# KiCad board Marble.kicad_pcb (continued)
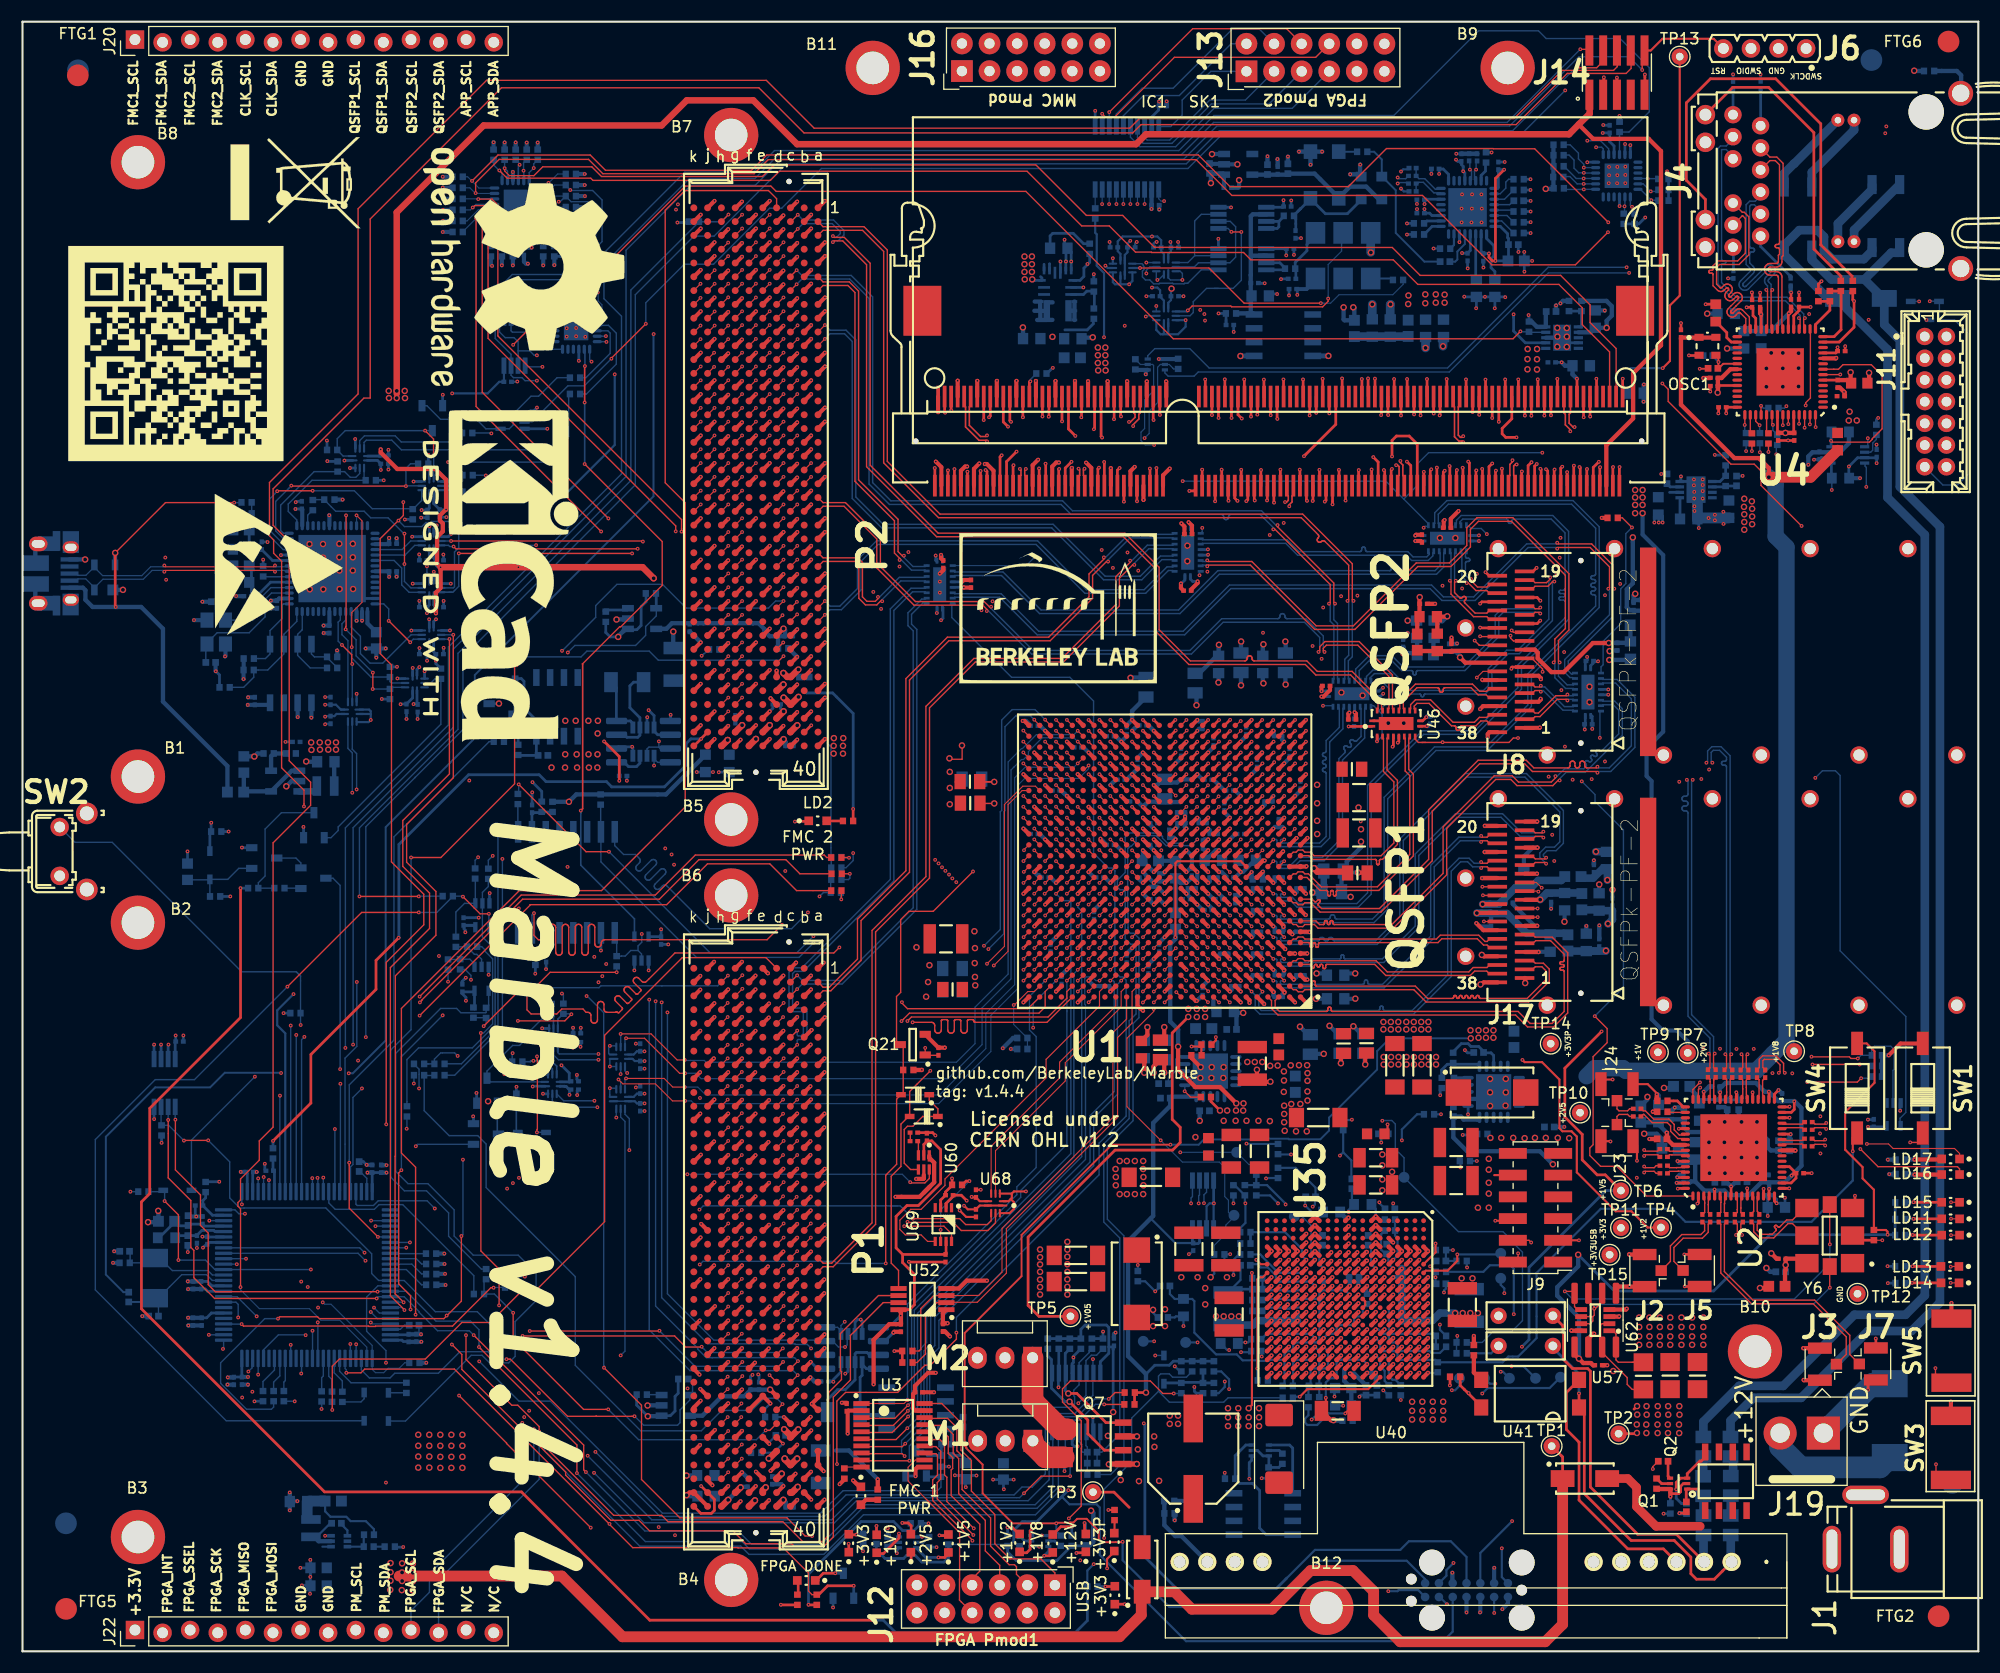
[diagram p0: board, top side]
## Library data of the parts (continued)
C366 C367 C372 C373 = -: Case: 0402; Comment: 100pF; Component Kind: Standard; Component Type: Standard; CreateDate: 12/03/07 00:00:00; Footprint Path: PcbLib\Capacitors SMD.PcbLib; Footprint Ref: CAPC1005X55N; LatestRevisionDate: 04/22/15 00:00:00; Library Name: Capacitors.DbLib; Library Path: SchLib\Capacitors.SchLib; Library Ref: Capacitor - non polarized; License: This work is licensed under the Creative Commons CC-BY-SA 4.0 License. To the extent that circuit schematics that use Licensed Material can be considered to be ‘Adapted Material’, then the copyright holder waives article 3.b of the license with respect to these schematics.; Manufacturer: GENERIC; Manufacturer1 ComponentHeight: 0.55mm; Manufacturer1 Example: KEMET; Manufacturer1 Part Number: C0402C101J5GACTU; Mounted: Yes; Part Description: SMD Multilayer Chip Ceramic Capacitor; Pin Count: 2; SMD: Yes; Sense: No; Socket: No; Status: Preferred; TC: C0G/NP0; Tolerance: ±5%; Val: 100pF; Voltage: 50V
C393 C394 = -: Case: 0402; Comment: 1nF; Component Kind: Standard; Component Type: Standard; CreateDate: 12/03/07 00:00:00; Footprint Path: PcbLib\Capacitors SMD.PcbLib; Footprint Ref: CAPC1005X55N; LatestRevisionDate: 12/03/07 00:00:00; Library Name: Capacitors.DbLib; Library Path: SchLib\Capacitors.SchLib; Library Ref: Capacitor - non polarized; License: This work is licensed under the Creative Commons CC-BY-SA 4.0 License. To the extent that circuit schematics that use Licensed Material can be considered to be ‘Adapted Material’, then the copyright holder waives article 3.b of the license with respect to these schematics.; Manufacturer: GENERIC; Manufacturer1 ComponentHeight: 0.55mm; Manufacturer1 Example: PHYCOMP; Manufacturer1 Part Number: 223858715623; Mounted: Yes; Part Description: SMD Multilayer Chip Ceramic Capacitor; Pin Count: 2; SMD: Yes; Sense: No; Socket: No; Status: Not Recommended; TC: X7R; Tolerance: ±10%; Val: 1nF; Voltage: 50V
D1-D3 D9 D14-D18 = -: Case: SOD323; Comment: =Device; Component Kind: Standard; Component Type: Standard; ComponentHeight: 1.1mm; CreateDate: 11/12/14 00:00:00; Footprint Path: PcbLib\ICs And Semiconductors SMD.PcbLib; Footprint Ref: SOD2512X110N; LatestRevisionDate: 11/12/14 00:00:00; Library Name: ICs And Semiconductors SMD; Library Path: SchLib\Diodes.SchLib; Library Ref: Diode Schottky; License: This work is licensed under the Creative Commons CC-BY-SA 4.0 License. To the extent that circuit schematics that use Licensed Material can be considered to be ‘Adapted Material’, then the copyright holder waives article 3.b of the license with respect to these schematics.; Manufacturer: NEXPERIA; Manufacturer Part Number: BAT165AX; Mounted: Yes; PackageDescription: Small Outline Diode Flat Lead (SOD-323), 1.70mm W X 1.25mm L X 1.10mm H body,  IPC Medium Density; Part Description: Medium Power AF Schottky Diode; Pin Count: 2; Power: 750mA; PressFit: No; SMD: Yes; Sense: No; Socket: No; Voltage: 40V
D4 D12 = -: Case: DO-214AC; Comment: =Device; Component Kind: Standard; Component Type: Standard; ComponentHeight: 2.29mm; CreateDate: 07/15/08 00:00:00; Footprint Path: PcbLib\ICs And Semiconductors SMD.PcbLib; Footprint Ref: DIOM5127X229N; LatestRevisionDate: 08/23/10 00:00:00; Library Name: ICs And Semiconductors SMD; Library Path: SchLib\Diodes.SchLib; Library Ref: Diode Schottky; License: This work is licensed under the Creative Commons CC-BY-SA 4.0 License. To the extent that circuit schematics that use Licensed Material can be considered to be ‘Adapted Material’, then the copyright holder waives article 3.b of the license with respect to these schematics.; Manufacturer: ONSEMI; Mounted: Yes; PackageDescription: DO-214-AC Molded Diode, Body 5.1x2.7mm, IPC Medium Density; Part Description: Surface Mount Schottky Barrier Rectifier; Pin Count: 2; Power: 1A; PressFit: No; SMD: Yes; Sense: No; Socket: No; Voltage: 60V
D6 D7 = -: Manufacturer: SMC
D8 = -: Manufacturer: DIODES INC; Manufacturer Part Number: SMAJ58A-13-F
D10 = -: Manufacturer: Vishay
D13 = -: Case: SOT143B; Comment: =Device; Component Kind: Standard; Component Type: Standard; ComponentHeight: 1.1mm; CreateDate: 03/22/11 00:00:00; Footprint Path: PcbLib\ICs And Semiconductors SMD.PcbLib; Footprint Ref: SOT190P230X110-4N; LatestRevisionDate: 03/22/11 00:00:00; Library Name: ICs And Semiconductors SMD; Library Path: SchLib\Diodes.SchLib; License: This work is licensed under the Creative Commons CC-BY-SA 4.0 License. To the extent that circuit schematics that use Licensed Material can be considered to be ‘Adapted Material’, then the copyright holder waives article 3.b of the license with respect to these schematics.; Manufacturer: NXP SEMICONDUCTORS; Manufacturer Part Number: PRTR5V0U2X,215; Mounted: Yes; PackageDescription: SOT143B, SOT, 1.90mm Pitch; 4 Pin, 1.30mm W X 2.90mm L X 1.10mm H body, IPC Medium Density; Part Description: Ultra Low Capacitance (1pF) Double Rail-to-Rail ESD Protection Diode (8kV); Pin Count: 4; PressFit: No; SMD: Yes; Sense: No; Socket: No; Voltage: 5.5V
FTG1-FTG8 = -: Component Kind: Standard (No BOM); Component Type: Standard (No BOM); ComponentHeight: 0mm; CreateDate: 02/09/10 00:00:00; Family: Fiducial; Footprint Path: PcbLib\Pads.PcbLib; LatestRevisionDate: 04/04/12 00:00:00; Library Name: Eletro-mechanical.DbLib; Library Path: SchLib\Pads.SchLib; Library Ref: Fiducial Target; License: This work is licensed under the Creative Commons CC-BY-SA 4.0 License. To the extent that circuit schematics that use Licensed Material can be considered to be ‘Adapted Material’, then the copyright holder waives article 3.b of the license with respect to these schematics.; Mounted: No; PackageDescription: Round Fiducial Target, Top Layer, 2.0mm, Top Solder 4.0mm, Keepout 4.0mm; Part Description: Round Fiducial Target, Top Layer, 2.0mm, Solder 4.0mm, Keepout 4.0mm; Pin Count: 1; SMD: Yes; Sense: No; Socket: No; Status: None
IC1 = -: Case: SODIMM; Comment: MT8JTF12864HZ-1G6G1; Component Kind: Standard; Component Type: Standard; ComponentHeight: 3.8mm; CreateDate: 08/09/12 00:00:00; Device: MT8JTF12864HZ-1G6G1; Footprint Path: PcbLib\ICs And Semiconductors SMD.PcbLib; Footprint Ref: SODIMM60P6760X3000X380-204; LatestRevisionDate: 08/09/12 00:00:00; Library Name: ICs And Semiconductors.DbLib; Library Path: SchLib\Logic.SchLib; Library Ref: MT8JTF12864HZ; License: This work is licensed under the Creative Commons CC-BY-SA 4.0 License. To the extent that circuit schematics that use Licensed Material can be considered to be ‘Adapted Material’, then the copyright holder waives article 3.b of the license with respect to these schematics.; Manufacturer: MICRON TECHNOLOGY; Mounted: Yes; PackageDescription: SODIMM DDR3 204-Pin SDRAM Module, Body; 67.6mm L X 30mm W X 3.8mm H; Part Description: 1Gb (128Mx64) SODIMM 204-Pin DDR3 SDRAM Module; Part Number: MT8JTF12864HZ-1G6G1; Pin Count: 0; PressFit: No; SMD: No; Sense: No; Socket: No
J1 = -: Component Kind: Standard; Component Type: Standard; ComponentHeight: 11mm; CreateDate: 11/23/10 00:00:00; Family: Jack; Footprint Path: PcbLib\Miscellaneous THD.PcbLib; LatestRevisionDate: 11/23/10 00:00:00; Library Name: Miscellaneous THD; Library Path: SchLib\Connectors.SchLib; License: This work is licensed under the Creative Commons CC-BY-SA 4.0 License. To the extent that circuit schematics that use Licensed Material can be considered to be ‘Adapted Material’, then the copyright holder waives article 3.b of the license with respect to these schematics.; Manufacturer: CLIFF ELECTRONIC COMPONENTS; Manufacturer Part Number: FC68148; Mounted: Yes; Part Description: 12V/5A, 2.1mm Diameter Pin, DC Power Socket With  Switch (DC10A Type); Pin Count: 3; PressFit: No; SMD: No; Sense: No; Socket: No; Status: None
J2 J3 J5 J7 J23 J24 = -: Comment: =Family; Component Kind: Standard; Component Type: Standard; ComponentHeight: 1.25mm; CreateDate: 03/24/10 00:00:00; Family: U.FL; Footprint Path: PcbLib\Miscellaneous SMD.PcbLib; LatestRevisionDate: 03/24/10 00:00:00; Library Name: Miscellaneous SMD; Library Path: SchLib\Connectors.SchLib; Library Ref: Coax_1Male_1Shield; License: This work is licensed under the Creative Commons CC-BY-SA 4.0 License. To the extent that circuit schematics that use Licensed Material can be considered to be ‘Adapted Material’, then the copyright holder waives article 3.b of the license with respect to these schematics.; Manufacturer: HIROSE (HRS); Manufacturer Part Number: U.FL-R-SMT-1(10); Mounted: Yes; Part Description: Up to 6GHz Ultra Small Surface Mount Male Coaxial Connectors U.FL Series; Pin Count: 2; PressFit: No; SMD: Yes; Sense: No; Socket: No; Status: None; ~: =Family
J4 = -: Comment: =Family; Component Kind: Standard; Component Type: Standard; ComponentHeight: 13.61mm; CreateDate: 04/30/14 00:00:00; Device: 0826-1X1T-GH-F; Family: RJ45; Footprint Path: PcbLib\Miscellaneous THD.PcbLib; Footprint Ref: BELFUSE_0826-1X1T-80-F; LatestRevisionDate: 04/30/14 00:00:00; Library Name: Miscellaneous THD; Library Path: SchLib\Connectors.SchLib; License: This work is licensed under the Creative Commons CC-BY-SA 4.0 License. To the extent that circuit schematics that use Licensed Material can be considered to be ‘Adapted Material’, then the copyright holder waives article 3.b of the license with respect to these schematics.; Manufacturer: BELFUSE; Manufacturer Part Number: 0826-1X1T-GH-F; Mounted: Yes; Part Description: 1 Port, Orange Green/Yellow LEDs, RJ45 1000BaseT, PoE, Gigabit MagJack® Connector Module; Pin Count: 20; PressFit: No; SMD: No; Sense: No; Socket: No; Status: None
J6 = -: Manufacturer: Adam Tech; Manufacturer Part Number: PH1-04-UA
J8 J17 = -: Component Kind: Standard; Component Type: Standard; ComponentHeight: 5.35mm; CreateDate: 08/14/13 00:00:00; Family: QSFP+; Footprint Path: PcbLib\SAMTEC SMD.PcbLib; LatestRevisionDate: 08/14/13 00:00:00; Library Name: Connectors.DbLib; Library Path: SchLib\Connectors.SchLib; Library Ref: QSFP+x1; License: This work is licensed under the Creative Commons CC-BY-SA 4.0 License. To the extent that circuit schematics that use Licensed Material can be considered to be ‘Adapted Material’, then the copyright holder waives article 3.b of the license with respect to these schematics.; Manufacturer: SAMTEC; Manufacturer Part Number: QSFP8-038-01-L-D-RA1; Mounted: Yes; Part Description: Dual Row 38 positions, Pitch 0.8mm, QSFP+ Right Angle Edge Connector; Pin Count: 38; PressFit: No; SMD: Yes; Sense: No; Socket: No; Status: None
J9 = -: Manufacturer: TE Connectivity
J10 = -: Comment: =Family; Component Kind: Standard; Component Type: Standard; ComponentHeight: 2.35mm; ComponentLink1Description: Package-Drawing; CreateDate: 10/29/14 00:00:00; Family: Micro-USB AB 2.0; Footprint Path: PcbLib\Miscellaneous SMD.PcbLib; LatestRevisionDate: 06/22/17 00:00:00; Library Name: Miscellaneous SMD; Library Path: SchLib\Connectors.SchLib; Library Ref: Connector USB 5 Pin + 1Shield; License: This work is licensed under the Creative Commons CC-BY-SA 4.0 License. To the extent that circuit schematics that use Licensed Material can be considered to be ‘Adapted Material’, then the copyright holder waives article 3.b of the license with respect to these schematics.; Manufacturer: AMP; Mounted: Yes; Part Description: Micro-USB 2.0 Right Angle, SMD Type AB - Reverse (Top mount), Shell Through Hole; Part Number: HIROSE_ZX62RD-AB-5P8; Pin Count: 7; PressFit: No; SMD: Yes; Sense: No; Socket: No; Status: Obsolete; ~: Micro-USB AB 2.0
J11 = -: Component Kind: Standard; Component Type: Standard; ComponentHeight: 6.4mm; CreateDate: 04/13/10 00:00:00; Family: Milli-Grid™; Footprint Path: PcbLib\MOLEX THD.PcbLib; LatestRevisionDate: 04/13/10 00:00:00; Library Name: MOLEX THD; Library Path: SchLib\Connectors.SchLib; Library Ref: Connector 14 Male; License: This work is licensed under the Creative Commons CC-BY-SA 4.0 License. To the extent that circuit schematics that use Licensed Material can be considered to be ‘Adapted Material’, then the copyright holder waives article 3.b of the license with respect to these schematics.; Manufacturer: MOLEX; Manufacturer Part Number: 87831-1420; Mounted: Yes; Part Description: 2.00mm (.079") Pitch Milli-Grid™ Header, Vertical, Shrouded, Center Polarization Slot, Locking Window, 14 Circuits; Pin Count: 14; PressFit: No; SMD: No; Sense: No; Socket: No; Status: None
J12 J13 J16 = -: Manufacturer: SULLINS
J14 = -: Manufacturer: SAMTEC; Manufacturer Part Number: FTSH-105-01-L-DV-K; SMD: Yes
J15 J18 = -: Manufacturer: SAMTEC; Manufacturer Part Number: QSFPK-PF-02
J19 = -: Manufacturer: AMP; Manufacturer Part Number: 3-641119-2
J20 J22 Y2 = -: config: dnf
L1-L12 L15-L17 L19 L24-L28 L30 L33 L34 L42-L44 = -: Case: 0603; Comment: =Value; Component Kind: Standard; Component Type: Standard; ComponentHeight: 0.65mm; CreateDate: 07/23/14 00:00:00; Footprint Path: PcbLib\Inductors SMD.PcbLib; Footprint Ref: INDC1608X65N; LatestRevisionDate: 07/23/14 00:00:00; Library Name: Inductors SMD; Library Path: SchLib\Inductors & Transformers.SchLib; Library Ref: Inductor; License: This work is licensed under the Creative Commons CC-BY-SA 4.0 License. To the extent that circuit schematics that use Licensed Material can be considered to be ‘Adapted Material’, then the copyright holder waives article 3.b of the license with respect to these schematics.; Manufacturer: MURATA; Manufacturer Part Number: BLM18SG121TN1D; Mounted: Yes; Part Description: SMD EMIFIL Suppression Chip Ferrite Bead; Pin Count: 2; Power: 3A; Resistance: 0.025R; SMD: Yes; Sense: No; Socket: No; Status: None; Tolerance: ±25%; Val: 120R@100MHz; ~: 120R@100MHz
L13 = -: Case: 0806; Comment: =Value; Component Kind: Standard; Component Type: Standard; ComponentHeight: 1mm; CreateDate: 10/20/16 00:00:00; Footprint Path: PcbLib\Inductors SMD.PcbLib; LatestRevisionDate: 10/20/16 00:00:00; Library Name: Inductors SMD; Library Path: SchLib\Inductors & Transformers.SchLib; Library Ref: Inductor; License: This work is licensed under the Creative Commons CC-BY-SA 4.0 License. To the extent that circuit schematics that use Licensed Material can be considered to be ‘Adapted Material’, then the copyright holder waives article 3.b of the license with respect to these schematics.; Manufacturer: WURTH; Manufacturer Part Number: 74479276222C; Mounted: Yes; Part Description: SMD Power Molded Chip  Inductor (WE-PMCI Series); Part Number: IND_2.2UH_20%_WURTH_WE-PMCI_74479276222C; Pin Count: 2; Power: 2.1A; Resistance: 0.112R; SMD: Yes; Sense: No; Socket: No; Status: None; Tolerance: ±20%; Val: 3.3uH
L14 L21 L22 L31 L32 L45 = -: Case: 1806; Comment: =Value; Component Kind: Standard; Component Type: Standard; ComponentHeight: 1.8mm; CreateDate: 12/02/09 00:00:00; Footprint Path: PcbLib\Inductors SMD.PcbLib; Footprint Ref: INDC4516X180N; LatestRevisionDate: 12/02/09 00:00:00; Library Name: Inductors SMD; Library Path: SchLib\Inductors & Transformers.SchLib; Library Ref: Inductor; License: This work is licensed under the Creative Commons CC-BY-SA 4.0 License. To the extent that circuit schematics that use Licensed Material can be considered to be ‘Adapted Material’, then the copyright holder waives article 3.b of the license with respect to these schematics.; Manufacturer: MURATA; Manufacturer Part Number: BLM41PG600SN1L; Mounted: Yes; Part Description: SMD EMI Suppression Chip Ferrite Bead (BLM41P Series); Pin Count: 2; Power: 6A; Resistance: 0.01R; SMD: Yes; Sense: No; Socket: No; Status: None; Val: 60R@100MHz; ~: 60R@100MHz
L23 = -: Case: 0806; Comment: =Value; Component Kind: Standard; Component Type: Standard; ComponentHeight: 1mm; CreateDate: 10/20/16 00:00:00; Footprint Path: PcbLib\Inductors SMD.PcbLib; Footprint Ref: IND_WURTH_WE-PMCI_0806LR; LatestRevisionDate: 10/20/16 00:00:00; Library Name: Inductors SMD; Library Path: SchLib\Inductors & Transformers.SchLib; Library Ref: Inductor; License: This work is licensed under the Creative Commons CC-BY-SA 4.0 License. To the extent that circuit schematics that use Licensed Material can be considered to be ‘Adapted Material’, then the copyright holder waives article 3.b of the license with respect to these schematics.; Manufacturer: WURTH; Manufacturer Part Number: 74479276222C; Mounted: Yes; Part Description: SMD Power Molded Chip  Inductor (WE-PMCI Series); Pin Count: 2; Power: 1.1A; Resistance: 0.112R; SMD: Yes; Sense: No; Socket: No; Status: None; Tolerance: ±20%; Val: 2.2uH; ~: 2.2uH
L35-L40 = -: Manufacturer: TDK; Manufacturer Part Number: MPZ2012S102ATD25
LD1-LD19 = -: Component Kind: Standard; Component Type: Standard; ComponentHeight: 0.65mm; CreateDate: 07/03/17 00:00:00; Footprint Path: PcbLib\ICs And Semiconductors SMD.PcbLib; LatestRevisionDate: 07/03/17 00:00:00; Library Name: ICs And Semiconductors SMD; Library Path: SchLib\LEDs & Displays.SchLib; Library Ref: LED Green 1C 2A; License: This work is licensed under the Creative Commons CC-BY-SA 4.0 License. To the extent that circuit schematics that use Licensed Material can be considered to be ‘Adapted Material’, then the copyright holder waives article 3.b of the license with respect to these schematics.; Manufacturer: WURTH; Manufacturer Part Number: 150060VS75000; Mounted: Yes; PackageDescription: SMT Green LED, Case 0603, Body L 1.6 x W 0.8mm H 0.65mm; Part Description: SMD Green LED, Case 1.6mmX0.8mm(0603), 0.65mm Thickness; Pin Count: 2; PressFit: No; SMD: Yes; Sense: No; Socket: No
M1 M2 = -: Manufacturer: SULLINS; Manufacturer Part Number: SWR25X-NRTC-S03-ST-BA
OSC1 = -: Manufacturer: ECS; Manufacturer Part Number: ECS-2520MV-250-BN-TR; config: dnf
P1 P2 = -: Component Kind: Standard; Component Type: Standard; ComponentHeight: 6.55mm; CreateDate: 04/30/09 00:00:00; Family: VITA 57; Footprint Path: PcbLib\SAMTEC SMD.PcbLib; LatestRevisionDate: 08/17/09 00:00:00; Library Name: Connectors.DbLib; Library Path: SchLib\Connectors.SchLib; Library Ref: Connector VITA 57 400 Female (abcdefghjk); License: This work is licensed under the Creative Commons CC-BY-SA 4.0 License. To the extent that circuit schematics that use Licensed Material can be considered to be ‘Adapted Material’, then the copyright holder waives article 3.b of the license with respect to these schematics.; Manufacturer: SAMTEC; Manufacturer Part Number: ASP-134486-01; Mounted: Yes; Part Description: 400 contacts (10 rows abcdefghj) Surface Mount Female Connector, VITA 57 (CC-HPC-10); Pin Count: 400; PressFit: No; SMD: Yes; Sense: No; Socket: No; Status: None
Q1 Q22 = -: Case: SOT666; Comment: =Device; Component Kind: Standard; Component Type: Standard; ComponentHeight: 0.6mm; CreateDate: 12/01/11 00:00:00; Footprint Path: PcbLib\ICs And Semiconductors SMD.PcbLib; Footprint Ref: SOTFL50P160X60-6N; LatestRevisionDate: 12/01/11 00:00:00; Library Name: ICs And Semiconductors SMD; Library Path: SchLib\Transistors.SchLib; License: This work is licensed under the Creative Commons CC-BY-SA 4.0 License. To the extent that circuit schematics that use Licensed Material can be considered to be ‘Adapted Material’, then the copyright holder waives article 3.b of the license with respect to these schematics.; Manufacturer: MICRO COMMERCIAL; Manufacturer Part Number: BCM857BV-7; Mounted: Yes; PackageDescription: SOTFL (SOT666), 0.50mm, Pitch; 6 Pin, 1.20mm W X 1.60mm L X 0.60mm H Body, IPC Medium Density; Part Description: -45V -100mA PNP General Purpose Double Transistor; Pin Count: 6; PressFit: No; SMD: Yes; Sense: No; Socket: No
Q2 Q4 Q16 Q23 = -: Case: SOIC8; Comment: =Device; Component Kind: Standard; Component Type: Standard; ComponentHeight: 1.75mm; CreateDate: 10/05/16 00:00:00; Footprint Path: PcbLib\ICs And Semiconductors SMD.PcbLib; Footprint Ref: SOIC127P600X175-8N; LatestRevisionDate: 10/05/16 00:00:00; Library Name: ICs And Semiconductors SMD; Library Path: SchLib\Transistors.SchLib; Library Ref: SI4459BDY; License: This work is licensed under the Creative Commons CC-BY-SA 4.0 License. To the extent that circuit schematics that use Licensed Material can be considered to be ‘Adapted Material’, then the copyright holder waives article 3.b of the license with respect to these schematics.; Manufacturer: VISHAY SILICONIX; Mounted: Yes; PackageDescription: SOIC 8, Pitch 1.27mm - Body 4x5mm, IPC Medium Density; Part Description: -30V -20A P-Channel MOSFET; Pin Count: 8; PressFit: No; SMD: Yes; Sense: No; Socket: No
Q3 Q15 Q20 = -: Manufacturer: VISHAY SILICONIX; Manufacturer Part Number: SI1036X-T1-GE3
Q5 Q6 Q8 Q9 Q14 Q17-Q19 Q24 = -: Case: SOT23-3; Component Kind: Standard; Component Type: Standard; ComponentHeight: 1.11mm; CreateDate: 03/23/09 00:00:00; Footprint Path: PcbLib\ICs And Semiconductors SMD.PcbLib; Footprint Ref: SOT95P240X110-3N; LatestRevisionDate: 03/23/09 00:00:00; Library Name: ICs And Semiconductors SMD; Library Path: SchLib\Transistors.SchLib; Library Ref: N-MOSFET-D 1G 2S 3D; License: This work is licensed under the Creative Commons CC-BY-SA 4.0 License. To the extent that circuit schematics that use Licensed Material can be considered to be ‘Adapted Material’, then the copyright holder waives article 3.b of the license with respect to these schematics.; Manufacturer: ONSEMI; Mounted: Yes; PackageDescription: SOT23 3-Leads, Pitch 0.95mm - Body 1.4x3mm, IPC Medium Density; Part Description: 50V 200mA N-Channel Enhancement Mode Field-Effect Transistor; Pin Count: 3; PressFit: No; SMD: Yes; Sense: No; Socket: No
Q7 = -: Manufacturer: VISHAY SILICONIX; Manufacturer Part Number: SQ4920EY-T1_BE3
Q21 = -: Case: SOT23-3; Component Kind: Standard; Component Type: Standard; ComponentHeight: 1.11mm; CreateDate: 03/23/09 00:00:00; Footprint Path: PcbLib\ICs And Semiconductors SMD.PcbLib; Footprint Ref: SOT95P240X110-3N; LatestRevisionDate: 03/23/09 00:00:00; Library Name: ICs And Semiconductors SMD; Library Path: SchLib\Transistors.SchLib; Library Ref: N-MOSFET-D 1G 2S 3D; License: This work is licensed under the Creative Commons CC-BY-SA 4.0 License. To the extent that circuit schematics that use Licensed Material can be considered to be ‘Adapted Material’, then the copyright holder waives article 3.b of the license with respect to these schematics.; Manufacturer: ONSEMI; Mounted: Yes; PackageDescription: SOT23 3-Leads, Pitch 0.95mm - Body 1.4x3mm, IPC Medium Density; Part Description: 50V 200mA N-Channel Enhancement Mode Field-Effect Transistor; Pin Count: 3; PressFit: No; SMD: Yes; Sense: No; Socket: No; config: dnf
R1 R2 R13 R14 R25 R28 R41 R45-R55 R57 R75 R83 R91 R112 R114 R119 R160 R199 R222 R223 = -: Case: 0402; Comment: =Value; Component Kind: Standard; Component Type: Standard; CreateDate: 12/03/07 00:00:00; Footprint Path: PcbLib\Resistors SMD.PcbLib; Footprint Ref: RESC1005X40N; LatestRevisionDate: 10/17/12 00:00:00; Library Name: Resistors SMD; Library Path: SchLib\Resistors.SchLib; Library Ref: Resistor - 1%; License: This work is licensed under the Creative Commons CC-BY-SA 4.0 License. To the extent that circuit schematics that use Licensed Material can be considered to be ‘Adapted Material’, then the copyright holder waives article 3.b of the license with respect to these schematics.; Manufacturer: GENERIC; Manufacturer1 ComponentHeight: 0.4mm; Manufacturer1 Example: YAGEO PHYCOMP; Manufacturer1 Part Number: 232270672202L; Mounted: Yes; Part Description: General Purpose Thick Film Chip Resistor; Pin Count: 2; Power: 0.0625W; PressFit: No; SMD: Yes; Sense: No; Socket: No; Status: Not Recommended; TC: ±100ppm/°C; Tolerance: ±1%; Val: 2k2; ~: 2k2
R3 = -: Case: 0603; Comment: 47; Component Kind: Standard; Component Type: Standard; CreateDate: 12/03/07 00:00:00; Footprint Path: PcbLib\Resistors SMD.PcbLib; Footprint Ref: RESC1608X55N; LatestRevisionDate: 03/13/08 00:00:00; Library Name: Resistors.DbLib; Library Path: SchLib\Resistors.SchLib; Library Ref: Resistor - 1%; License: This work is licensed under the Creative Commons CC-BY-SA 4.0 License. To the extent that circuit schematics that use Licensed Material can be considered to be ‘Adapted Material’, then the copyright holder waives article 3.b of the license with respect to these schematics.; Manufacturer: GENERIC; Manufacturer1 ComponentHeight: 0.55mm; Manufacturer1 Example: NIC COMPONENT; Manufacturer1 Part Number: NRC06F47R0TRF; Mounted: Yes; Part Description: General Purpose Thick Film Chip Resistor; Pin Count: 2; Power: 0.1W; PressFit: No; SMD: Yes; Sense: No; Socket: No; Status: Preferred; TC: ±100ppm/°C; Tolerance: ±1%; Val: 47
R4 R5 = -: Case: 0402; Comment: =Value; Component Kind: Standard; Component Type: Standard; CreateDate: 12/03/07 00:00:00; Footprint Path: PcbLib\Resistors SMD.PcbLib; Footprint Ref: RESC1005X40N; LatestRevisionDate: 10/17/12 00:00:00; Library Name: Resistors SMD; Library Path: SchLib\Resistors.SchLib; Library Ref: Resistor; License: This work is licensed under the Creative Commons CC-BY-SA 4.0 License. To the extent that circuit schematics that use Licensed Material can be considered to be ‘Adapted Material’, then the copyright holder waives article 3.b of the license with respect to these schematics.; Manufacturer: GENERIC; Manufacturer1 ComponentHeight: 0.4mm; Manufacturer1 Example: YAGEO PHYCOMP; Manufacturer1 Part Number: 232270591001L; Mounted: Yes; Part Description: 1A (0.05R Max DC Resistance) Zero Ohm Jumper; Pin Count: 2; PressFit: No; SMD: Yes; Sense: No; Socket: No; Status: Not Recommended; Val: 0
R6 R21 R29-R32 R63 R70 R84 R85 R113 R115-R118 R121-R127 R130 R131 R137 R172-R178 R188 R201-R205 R213 R214 R234-R236 R246 R247 R249 R250 R252-R258 R260 R262 R263 R270-R272 R276 R297-R300 = -: Case: 0402; Comment: =Value; Component Kind: Standard; Component Type: Standard; CreateDate: 12/03/07 00:00:00; Footprint Path: PcbLib\Resistors SMD.PcbLib; Footprint Ref: RESC1005X40N; LatestRevisionDate: 10/17/12 00:00:00; Library Name: Resistors SMD; Library Path: SchLib\Resistors.SchLib; Library Ref: Resistor - 1%; License: This work is licensed under the Creative Commons CC-BY-SA 4.0 License. To the extent that circuit schematics that use Licensed Material can be considered to be ‘Adapted Material’, then the copyright holder waives article 3.b of the license with respect to these schematics.; Manufacturer: GENERIC; Manufacturer1 ComponentHeight: 0.4mm; Manufacturer1 Example: YAGEO PHYCOMP; Manufacturer1 Part Number: 232270671003L; Mounted: Yes; Part Description: General Purpose Thick Film Chip Resistor; Pin Count: 2; Power: 0.0625W; PressFit: No; SMD: Yes; Sense: No; Socket: No; Status: Not Recommended; TC: ±100ppm/°C; Tolerance: ±1%; Val: 10k; ~: 10k
R7 R104 R181 R273 = -: Case: 0402; Comment: =Value; Component Kind: Standard; Component Type: Standard; CreateDate: 12/03/07 00:00:00; Footprint Path: PcbLib\Resistors SMD.PcbLib; Footprint Ref: RESC1005X40N; LatestRevisionDate: 10/17/12 00:00:00; Library Name: Resistors SMD; Library Path: SchLib\Resistors.SchLib; Library Ref: Resistor - 1%; License: This work is licensed under the Creative Commons CC-BY-SA 4.0 License. To the extent that circuit schematics that use Licensed Material can be considered to be ‘Adapted Material’, then the copyright holder waives article 3.b of the license with respect to these schematics.; Manufacturer: GENERIC; Manufacturer1 ComponentHeight: 0.4mm; Manufacturer1 Example: YAGEO PHYCOMP; Manufacturer1 Part Number: 232270675103L; Mounted: Yes; Part Description: General Purpose Thick Film Chip Resistor; Pin Count: 2; Power: 0.0625W; PressFit: No; SMD: Yes; Sense: No; Socket: No; Status: Not Recommended; TC: ±100ppm/°C; Tolerance: ±1%; Val: 47k; ~: 47k
R8 R89 R90 R95 = -: Author: CERN DEM BC; Case: 0402; Component Kind: Standard; Component Type: Standard; CreateDate: 17.11.2020; LatestRevisionDate: 17.11.2020; Manufacturer: GENERIC; Manufacturer Part Number: R0402_590K_1%_0.063W_100PPM; Manufacturer1 ComponentHeight: 0.4mm; Manufacturer1 Example: VISHAY; Manufacturer1 Part Number: CRCW0402590KFK; Mounted: Yes; Part Description: General Purpose Thick Film Chip Resistor; Part Number: R0402_590K_1%_0.063W_100PPM; Pin Count: 2; Power: 0.063W; PressFit: No; SMD: Yes; Sense: No; Socket: No; Status: None; TC: ±100ppm/°C; Tolerance: ±1%
R9-R12 = -: Case: 0402; Comment: 240; Component Kind: Standard; Component Type: Standard; CreateDate: 12/03/07 00:00:00; Footprint Path: PcbLib\Resistors SMD.PcbLib; Footprint Ref: RESC1005X40N; LatestRevisionDate: 10/17/12 00:00:00; Library Name: Resistors SMD; Library Path: SchLib\Resistors.SchLib; Library Ref: Resistor - 1%; License: This work is licensed under the Creative Commons CC-BY-SA 4.0 License. To the extent that circuit schematics that use Licensed Material can be considered to be ‘Adapted Material’, then the copyright holder waives article 3.b of the license with respect to these schematics.; Manufacturer: GENERIC; Manufacturer1 ComponentHeight: 0.4mm; Manufacturer1 Example: YAGEO PHYCOMP; Manufacturer1 Part Number: 232270672401L; Mounted: Yes; Part Description: General Purpose Thick Film Chip Resistor; Pin Count: 2; Power: 0.0625W; PressFit: No; SMD: Yes; Sense: No; Socket: No; Status: Not Recommended; TC: ±100ppm/°C; Tolerance: ±1%; Val: 240
R15-R17 = -: Case: 1206; Comment: 0R082; Component Kind: Standard; Component Type: Standard; ComponentHeight: 0.65mm; CreateDate: 06/22/11 00:00:00; Footprint Path: PcbLib\Resistors SMD.PcbLib; Footprint Ref: RESC3216X80N; LatestRevisionDate: 11/20/15 00:00:00; Library Name: Resistors.DbLib; Library Path: SchLib\Resistors.SchLib; Library Ref: Resistor - 1%; License: This work is licensed under the Creative Commons CC-BY-SA 4.0 License. To the extent that circuit schematics that use Licensed Material can be considered to be ‘Adapted Material’, then the copyright holder waives article 3.b of the license with respect to these schematics.; Manufacturer: Ohmite; Manufacturer Part Number: KDV12DR082ET; Mounted: Yes; Part Description: High power Low Resistance Thick Film Chip Resistor; Pin Count: 2; Power: 0.5W; PressFit: No; SMD: Yes; Sense: No; Socket: No; Status: Not Recommended; TC: ±100ppm/°C; Tolerance: ±1%; Val: 0R082
R18 R19 R61 R78 R86 R87 R107 R163 R179 R184 R245 R248 R251 R259 R261 R264-R268 R283-R285 = -: Case: 0402; Comment: =Value; Component Kind: Standard; Component Type: Standard; CreateDate: 12/03/07 00:00:00; Footprint Path: PcbLib\Resistors SMD.PcbLib; Footprint Ref: RESC1005X40N; LatestRevisionDate: 10/17/12 00:00:00; Library Name: Resistors SMD; Library Path: SchLib\Resistors.SchLib; Library Ref: Resistor - 1%; License: This work is licensed under the Creative Commons CC-BY-SA 4.0 License. To the extent that circuit schematics that use Licensed Material can be considered to be ‘Adapted Material’, then the copyright holder waives article 3.b of the license with respect to these schematics.; Manufacturer: GENERIC; Manufacturer1 ComponentHeight: 0.4mm; Manufacturer1 Example: YAGEO PHYCOMP; Manufacturer1 Part Number: 232270671002L; Mounted: Yes; Part Description: General Purpose Thick Film Chip Resistor; Pin Count: 2; Power: 0.0625W; PressFit: No; SMD: Yes; Sense: No; Socket: No; Status: Not Recommended; TC: ±100ppm/°C; Tolerance: ±1%; Val: 1k; ~: 1k
R20 R71 R282 R309 = -: Case: 0402; Comment: 4k7; Component Kind: Standard; Component Type: Standard; CreateDate: 12/03/07 00:00:00; Footprint Path: PcbLib\Resistors SMD.PcbLib; Footprint Ref: RESC1005X40N; LatestRevisionDate: 10/17/12 00:00:00; Library Name: Resistors SMD; Library Path: SchLib\Resistors.SchLib; Library Ref: Resistor - 1%; License: This work is licensed under the Creative Commons CC-BY-SA 4.0 License. To the extent that circuit schematics that use Licensed Material can be considered to be ‘Adapted Material’, then the copyright holder waives article 3.b of the license with respect to these schematics.; Manufacturer: GENERIC; Manufacturer1 ComponentHeight: 0.4mm; Manufacturer1 Example: YAGEO PHYCOMP; Manufacturer1 Part Number: 232270674702L; Mounted: Yes; Part Description: General Purpose Thick Film Chip Resistor; Pin Count: 2; Power: 0.0625W; PressFit: No; SMD: Yes; Sense: No; Socket: No; Status: Not Recommended; TC: ±100ppm/°C; Tolerance: ±1%; Val: 4k7; ~: 4k7
R22 R23 R59 R60 = -: Case: 0201; Comment: =Value; Component Kind: Standard; Component Type: Standard; CreateDate: 11/13/14 00:00:00; Footprint Path: PcbLib\Resistors SMD.PcbLib; Footprint Ref: RESC0603X28N; LatestRevisionDate: 11/13/14 00:00:00; Library Name: Resistors SMD; Library Path: SchLib\Resistors.SchLib; Library Ref: Resistor - 1%; License: This work is licensed under the Creative Commons CC-BY-SA 4.0 License. To the extent that circuit schematics that use Licensed Material can be considered to be ‘Adapted Material’, then the copyright holder waives article 3.b of the license with respect to these schematics.; Manufacturer: GENERIC; Manufacturer1 ComponentHeight: 0.27mm; Manufacturer1 Example: VISHAY; Manufacturer1 Part Number: CRCW0201200RFNED; Mounted: Yes; Part Description: Thick Film Chip Resistor; Pin Count: 2; Power: 0.05W; PressFit: No; SMD: Yes; Sense: No; Socket: No; Status: Not Recommended; TC: ±200ppm/°C; Tolerance: ±1%; Val: 200; ~: 200
R24 R26 = -: Case: 0402; Comment: 100k; Component Kind: Standard; Component Type: Standard; CreateDate: 12/03/07 00:00:00; Footprint Path: PcbLib\Resistors SMD.PcbLib; Footprint Ref: RESC1005X40N; LatestRevisionDate: 10/17/12 00:00:00; Library Name: Resistors.DbLib; Library Path: SchLib\Resistors.SchLib; Library Ref: Resistor - 1%; License: This work is licensed under the Creative Commons CC-BY-SA 4.0 License. To the extent that circuit schematics that use Licensed Material can be considered to be ‘Adapted Material’, then the copyright holder waives article 3.b of the license with respect to these schematics.; Manufacturer: GENERIC; Manufacturer1 ComponentHeight: 0.4mm; Manufacturer1 Example: YAGEO PHYCOMP; Manufacturer1 Part Number: 232270671004L; Mounted: Yes; Part Description: General Purpose Thick Film Chip Resistor; Pin Count: 2; Power: 0.0625W; PressFit: No; SMD: Yes; Sense: No; Socket: No; Status: Not Recommended; TC: ±100ppm/°C; Tolerance: ±1%; Val: 100k
R27 = -: Case: 0402; Comment: 150k; Component Kind: Standard; Component Type: Standard; CreateDate: 12/03/07 00:00:00; Footprint Path: PcbLib\Resistors SMD.PcbLib; Footprint Ref: RESC1005X40N; LatestRevisionDate: 10/17/12 00:00:00; Library Name: Resistors.DbLib; Library Path: SchLib\Resistors.SchLib; Library Ref: Resistor - 1%; License: This work is licensed under the Creative Commons CC-BY-SA 4.0 License. To the extent that circuit schematics that use Licensed Material can be considered to be ‘Adapted Material’, then the copyright holder waives article 3.b of the license with respect to these schematics.; Manufacturer: GENERIC; Manufacturer1 ComponentHeight: 0.4mm; Manufacturer1 Example: YAGEO PHYCOMP; Manufacturer1 Part Number: 232270671504L; Mounted: Yes; Part Description: General Purpose Thick Film Chip Resistor; Pin Count: 2; Power: 0.0625W; PressFit: No; SMD: Yes; Sense: No; Socket: No; Status: Not Recommended; TC: ±100ppm/°C; Tolerance: ±1%; Val: 150k
R33 R34 R42-R44 R74 R76 R80-R82 R94 R100 R129 R135 R136 R159 R165 R200 R215 R216 R224 R227-R233 R237-R242 R275 R277-R281 R289 R290 = -: Case: 0402; Comment: =Value; Component Kind: Standard; Component Type: Standard; CreateDate: 12/03/07 00:00:00; Footprint Path: PcbLib\Resistors SMD.PcbLib; Footprint Ref: RESC1005X40N; LatestRevisionDate: 10/17/12 00:00:00; Library Name: Resistors SMD; Library Path: SchLib\Resistors.SchLib; Library Ref: Resistor; License: This work is licensed under the Creative Commons CC-BY-SA 4.0 License. To the extent that circuit schematics that use Licensed Material can be considered to be ‘Adapted Material’, then the copyright holder waives article 3.b of the license with respect to these schematics.; Manufacturer: GENERIC; Manufacturer1 ComponentHeight: 0.4mm; Manufacturer1 Example: YAGEO PHYCOMP; Manufacturer1 Part Number: 232270591001L; Mounted: Yes; Part Description: 1A (0.05R Max DC Resistance) Zero Ohm Jumper; Pin Count: 2; PressFit: No; SMD: Yes; Sense: No; Socket: No; Status: Not Recommended; Val: 0; ~: 0
R35-R38 R77 R301-R305 = -: Case: 0402; Comment: 4k7; Component Kind: Standard; Component Type: Standard; CreateDate: 12/03/07 00:00:00; Footprint Path: PcbLib\Resistors SMD.PcbLib; Footprint Ref: RESC1005X40N; LatestRevisionDate: 10/17/12 00:00:00; Library Name: Resistors SMD; Library Path: SchLib\Resistors.SchLib; Library Ref: Resistor - 1%; License: This work is licensed under the Creative Commons CC-BY-SA 4.0 License. To the extent that circuit schematics that use Licensed Material can be considered to be ‘Adapted Material’, then the copyright holder waives article 3.b of the license with respect to these schematics.; Manufacturer: GENERIC; Manufacturer1 ComponentHeight: 0.4mm; Manufacturer1 Example: YAGEO PHYCOMP; Manufacturer1 Part Number: 232270674702L; Mounted: Yes; Part Description: General Purpose Thick Film Chip Resistor; Pin Count: 2; Power: 0.0625W; PressFit: No; SMD: Yes; Sense: No; Socket: No; Status: Not Recommended; TC: ±100ppm/°C; Tolerance: ±1%; Val: 4k7
R39 R40 = -: Case: 0402; Comment: =Value; Component Kind: Standard; Component Type: Standard; CreateDate: 12/03/07 00:00:00; Footprint Path: PcbLib\Resistors SMD.PcbLib; Footprint Ref: RESC1005X40N; LatestRevisionDate: 10/17/12 00:00:00; Library Name: Resistors SMD; Library Path: SchLib\Resistors.SchLib; Library Ref: Resistor - 1%; License: This work is licensed under the Creative Commons CC-BY-SA 4.0 License. To the extent that circuit schematics that use Licensed Material can be considered to be ‘Adapted Material’, then the copyright holder waives article 3.b of the license with respect to these schematics.; Manufacturer: GENERIC; Manufacturer1 ComponentHeight: 0.4mm; Manufacturer1 Example: YAGEO PHYCOMP; Mounted: Yes; Part Description: General Purpose Thick Film Chip Resistor; Pin Count: 2; Power: 0.0625W; PressFit: No; SMD: Yes; Sense: No; Socket: No; Status: Not Recommended; TC: ±100ppm/°C; Tolerance: ±1%; Val: 4k7; ~: 4k7
R56 = -: Case: 0402; Comment: =Value; Component Kind: Standard; Component Type: Standard; CreateDate: 12/03/07 00:00:00; Footprint Path: PcbLib\Resistors SMD.PcbLib; Footprint Ref: RESC1005X40N; LatestRevisionDate: 10/17/12 00:00:00; Library Name: Resistors SMD; Library Path: SchLib\Resistors.SchLib; Library Ref: Resistor - 1%; License: This work is licensed under the Creative Commons CC-BY-SA 4.0 License. To the extent that circuit schematics that use Licensed Material can be considered to be ‘Adapted Material’, then the copyright holder waives article 3.b of the license with respect to these schematics.; Manufacturer: GENERIC; Manufacturer1 ComponentHeight: 0.4mm; Manufacturer1 Example: YAGEO PHYCOMP; Manufacturer1 Part Number: 232270672203L; Mounted: Yes; Part Description: General Purpose Thick Film Chip Resistor; Pin Count: 2; Power: 0.0625W; PressFit: No; SMD: Yes; Sense: No; Socket: No; Status: Not Recommended; TC: ±100ppm/°C; Tolerance: ±1%; Val: 2k2; ~: 2k2
R58 R67 R92 R93 R156 = -: Case: 0402; Comment: 240; Component Kind: Standard; Component Type: Standard; CreateDate: 12/03/07 00:00:00; Footprint Path: PcbLib\Resistors SMD.PcbLib; Footprint Ref: RESC1005X40N; LatestRevisionDate: 10/17/12 00:00:00; Library Name: Resistors SMD; Library Path: SchLib\Resistors.SchLib; Library Ref: Resistor - 1%; License: This work is licensed under the Creative Commons CC-BY-SA 4.0 License. To the extent that circuit schematics that use Licensed Material can be considered to be ‘Adapted Material’, then the copyright holder waives article 3.b of the license with respect to these schematics.; Manufacturer: GENERIC; Manufacturer1 ComponentHeight: 0.4mm; Manufacturer1 Example: YAGEO PHYCOMP; Manufacturer1 Part Number: 232270672401L; Mounted: Yes; Part Description: General Purpose Thick Film Chip Resistor; Pin Count: 2; Power: 0.0625W; PressFit: No; SMD: Yes; Sense: No; Socket: No; Status: Not Recommended; TC: ±100ppm/°C; Tolerance: ±1%; Val: 240; ~: 240
R62 R64 R66 = -: Case: 0603; Comment: =Value; Component Kind: Standard; Component Type: Standard; CreateDate: 05/20/10 00:00:00; Footprint Path: PcbLib\Resistors SMD.PcbLib; Footprint Ref: RESC1608X55N; LatestRevisionDate: 05/20/10 00:00:00; Library Name: Resistors SMD; Library Path: SchLib\Resistors.SchLib; Library Ref: Resistor - 1%; License: This work is licensed under the Creative Commons CC-BY-SA 4.0 License. To the extent that circuit schematics that use Licensed Material can be considered to be ‘Adapted Material’, then the copyright holder waives article 3.b of the license with respect to these schematics.; Manufacturer: GENERIC; Manufacturer1 ComponentHeight: 0.55mm; Manufacturer1 Example: TYCO NEOHM; Manufacturer1 Part Number: CPF0603F4K99C1; Mounted: Yes; Part Description: General Purpose Thick Film Chip Resistor; Pin Count: 2; Power: 0.1W; PressFit: No; SMD: Yes; Sense: No; Socket: No; Status: None; TC: ±50ppm/°C; Tolerance: ±1%; Val: 4k99; ~: 4k99
R65 R88 R96-R99 R101 R102 R132 R209 R210 R225 R286-R288 = -: Case: 0402; Comment: =Value; Component Kind: Standard; Component Type: Standard; CreateDate: 12/03/07 00:00:00; Footprint Path: PcbLib\Resistors SMD.PcbLib; Footprint Ref: RESC1005X40N; LatestRevisionDate: 10/17/12 00:00:00; Library Name: Resistors SMD; Library Path: SchLib\Resistors.SchLib; Library Ref: Resistor; License: This work is licensed under the Creative Commons CC-BY-SA 4.0 License. To the extent that circuit schematics that use Licensed Material can be considered to be ‘Adapted Material’, then the copyright holder waives article 3.b of the license with respect to these schematics.; Manufacturer: GENERIC; Manufacturer1 ComponentHeight: 0.4mm; Manufacturer1 Example: YAGEO PHYCOMP; Manufacturer1 Part Number: 232270591001L; Mounted: Yes; Part Description: 1A (0.05R Max DC Resistance) Zero Ohm Jumper; Pin Count: 2; PressFit: No; SMD: Yes; Sense: No; Socket: No; Status: Not Recommended; Val: 0; config: dnf; ~: 0
R68 R120 = -: Case: 0402; Comment: =Value; Component Kind: Standard; Component Type: Standard; CreateDate: 12/03/07 00:00:00; Footprint Path: PcbLib\Resistors SMD.PcbLib; Footprint Ref: RESC1005X40N; LatestRevisionDate: 10/17/12 00:00:00; Library Name: Resistors SMD; Library Path: SchLib\Resistors.SchLib; Library Ref: Resistor - 1%; License: This work is licensed under the Creative Commons CC-BY-SA 4.0 License. To the extent that circuit schematics that use Licensed Material can be considered to be ‘Adapted Material’, then the copyright holder waives article 3.b of the license with respect to these schematics.; Manufacturer: GENERIC; Manufacturer1 ComponentHeight: 0.4mm; Manufacturer1 Example: YAGEO PHYCOMP; Manufacturer1 Part Number: 232270671203L; Mounted: Yes; Part Description: General Purpose Thick Film Chip Resistor; Pin Count: 2; Power: 0.0625W; PressFit: No; SMD: Yes; Sense: No; Socket: No; Status: Not Recommended; TC: ±100ppm/°C; Tolerance: ±1%; Val: 12k; ~: 12k
R69 = -: Case: 0402; Comment: 18k; Component Kind: Standard; Component Type: Standard; CreateDate: 12/03/07 00:00:00; Database Table Name: Resistors SMD; Footprint Library: Resistors SMD; Footprint Path: PcbLib\Resistors SMD.PcbLib; Footprint Ref: RESC1005X40N; LatestRevisionDate: 10/17/12 00:00:00; Library Name: Resistors.DbLib; Library Path: SchLib\Resistors.SchLib; Library Ref: Resistor - 1%; License: This work is licensed under the Creative Commons CC-BY-SA 4.0 License. To the extent that circuit schematics that use Licensed Material can be considered to be ‘Adapted Material’, then the copyright holder waives article 3.b of the license with respect to these schematics.; Manufacturer: GENERIC; Manufacturer1 ComponentHeight: 0.4mm; Manufacturer1 Example: YAGEO PHYCOMP; Manufacturer1 Part Number: 232270671803L; Mounted: Yes; Part Description: General Purpose Thick Film Chip Resistor; Pin Count: 2; Power: 0.0625W; PressFit: No; SMD: Yes; Sense: No; Socket: No; Status: Not Recommended; TC: ±100ppm/°C; Tolerance: ±1%; Val: 18k
R72 R73 = -: Case: 0402; Comment: =Value; Component Kind: Standard; Component Type: Standard; CreateDate: 12/03/07 00:00:00; Footprint Path: PcbLib\Resistors SMD.PcbLib; Footprint Ref: RESC1005X40N; LatestRevisionDate: 10/17/12 00:00:00; Library Name: Resistors SMD; Library Path: SchLib\Resistors.SchLib; Library Ref: Resistor - 1%; License: This work is licensed under the Creative Commons CC-BY-SA 4.0 License. To the extent that circuit schematics that use Licensed Material can be considered to be ‘Adapted Material’, then the copyright holder waives article 3.b of the license with respect to these schematics.; Manufacturer: GENERIC; Manufacturer1 ComponentHeight: 0.4mm; Manufacturer1 Example: YAGEO PHYCOMP; Manufacturer1 Part Number: 232270671002L; Mounted: Yes; Part Description: General Purpose Thick Film Chip Resistor; Pin Count: 2; Power: 0.0625W; PressFit: No; SMD: Yes; Sense: No; Socket: No; Status: Not Recommended; TC: ±100ppm/°C; Tolerance: ±1%; Val: 47k; ~: 47k
R79 = -: Case: 0402; Comment: 40R2; Component Kind: Standard; Component Type: Standard; CreateDate: 02/03/15 00:00:00; Footprint Path: PcbLib\Resistors SMD.PcbLib; Footprint Ref: RESC1005X40N; LatestRevisionDate: 02/03/15 00:00:00; Library Name: Resistors.DbLib; Library Path: SchLib\Resistors.SchLib; Library Ref: Resistor - 1%; License: This work is licensed under the Creative Commons CC-BY-SA 4.0 License. To the extent that circuit schematics that use Licensed Material can be considered to be ‘Adapted Material’, then the copyright holder waives article 3.b of the license with respect to these schematics.; Manufacturer: GENERIC; Manufacturer1 ComponentHeight: 0.4mm; Manufacturer1 Example: VISHAY; Manufacturer1 Part Number: CRCW040240R2FKED; Mounted: Yes; Part Description: General Purpose Thick Film Chip Resistor; Pin Count: 2; Power: 0.0625W; PressFit: No; SMD: Yes; Sense: No; Socket: No; Status: None; TC: ±100ppm/°C; Tolerance: ±1%; Val: 40R2
R103 R151-R154 R161 = -: Case: 0402; Comment: =Value; Component Kind: Standard; Component Type: Standard; CreateDate: 12/12/13 00:00:00; Footprint Path: PcbLib\Resistors SMD.PcbLib; Footprint Ref: RESC1005X40N; LatestRevisionDate: 03/03/15 00:00:00; Library Name: Resistors SMD; Library Path: SchLib\Resistors.SchLib; Library Ref: Resistor - 1%; License: This work is licensed under the Creative Commons CC-BY-SA 4.0 License. To the extent that circuit schematics that use Licensed Material can be considered to be ‘Adapted Material’, then the copyright holder waives article 3.b of the license with respect to these schematics.; Manufacturer: GENERIC; Manufacturer1 ComponentHeight: 0.4mm; Manufacturer1 Example: PANASONIC; Manufacturer1 Part Number: ERJ2RKF1000X; Mounted: Yes; Part Description: General Purpose Thick Film Chip Resistor; Pin Count: 2; Power: 0.1W; PressFit: No; SMD: Yes; Sense: No; Socket: No; Status: Not Recommended; TC: ±100ppm/°C; Tolerance: ±1%; Val: 100; Voltage: 50V; ~: 100
R105 R106 R140 R141 R143 R145 R148 R150 R164 R171 R185 R190 R207 R208 R211 R218 R243 R244 R306 R307 = -: Author: CERN DEM JLC; Case: 0402; Component Kind: Standard; Component Type: Standard; CreateDate: 03.12.2007; LatestRevisionDate: 17.10.2012; Manufacturer: GENERIC; Manufacturer1 ComponentHeight: 0.4mm; Manufacturer1 Example: YAGEO PHYCOMP; Manufacturer1 Part Number: 232270591001L; Mounted: Yes; Part Description: 1A (0.05R Max DC Resistance) Zero Ohm Jumper; Pin Count: 2; PressFit: No; SMD: Yes; Sense: No; Socket: No; Status: Not Recommended; Val: 0
R108 R212 R269 = -: Case: 0402; Comment: =Value; Component Kind: Standard; Component Type: Standard; CreateDate: 12/03/07 00:00:00; Footprint Path: PcbLib\Resistors SMD.PcbLib; Footprint Ref: RESC1005X40N; LatestRevisionDate: 10/17/12 00:00:00; Library Name: Resistors SMD; Library Path: SchLib\Resistors.SchLib; Library Ref: Resistor - 1%; License: This work is licensed under the Creative Commons CC-BY-SA 4.0 License. To the extent that circuit schematics that use Licensed Material can be considered to be ‘Adapted Material’, then the copyright holder waives article 3.b of the license with respect to these schematics.; Manufacturer: GENERIC; Manufacturer1 ComponentHeight: 0.4mm; Manufacturer1 Example: YAGEO PHYCOMP; Manufacturer1 Part Number: 232270678203L; Mounted: Yes; Part Description: General Purpose Thick Film Chip Resistor; Pin Count: 2; Power: 0.0625W; PressFit: No; SMD: Yes; Sense: No; Socket: No; Status: Not Recommended; TC: ±100ppm/°C; Tolerance: ±1%; Val: 82k; ~: 82k
R109 = -: Author: CERN DEM JLC; Case: 0402; Component Kind: Standard; Component Type: Standard; CreateDate: 24.06.2009; LatestRevisionDate: 17.10.2012; Manufacturer: GENERIC; Manufacturer Part Number: R0402_10R_1%_0.0625W_200PPM; Manufacturer1 ComponentHeight: 0.4mm; Manufacturer1 Example: YAGEO PHYCOMP; Manufacturer1 Part Number: 232270671009L; Mounted: Yes; Part Description: General Purpose Thick Film Chip Resistor; Part Number: R0402_10R_1%_0.0625W_200PPM; Pin Count: 2; Power: 0.0625W; PressFit: No; SMD: Yes; Sense: No; Socket: No; Status: Not Recommended; TC: ±200ppm/°C; Tolerance: ±1%
R110 R111 = -: Author: CERN DEM JLC; Case: 0402; Component Kind: Standard; Component Type: Standard; CreateDate: 03.12.2007; LatestRevisionDate: 17.10.2012; Manufacturer: GENERIC; Manufacturer Part Number: R0402_1R_1%_0.0625W_200PPM; Manufacturer1 ComponentHeight: 0.4mm; Manufacturer1 Example: YAGEO PHYCOMP; Manufacturer1 Part Number: 232270671008L; Mounted: Yes; Part Description: General Purpose Thick Film Chip Resistor; Part Number: R0402_1R_1%_0.0625W_200PPM; Pin Count: 2; Power: 0.0625W; PressFit: No; SMD: Yes; Sense: No; Socket: No; Status: Not Recommended; TC: ±200ppm/°C; Tolerance: ±1%
